# KiCad board sandevistan44_right.kicad_pcb
title: Sandevistan44; date: 2025-05-21; rev: 0.0.1; company: islathehut; note: Right Side
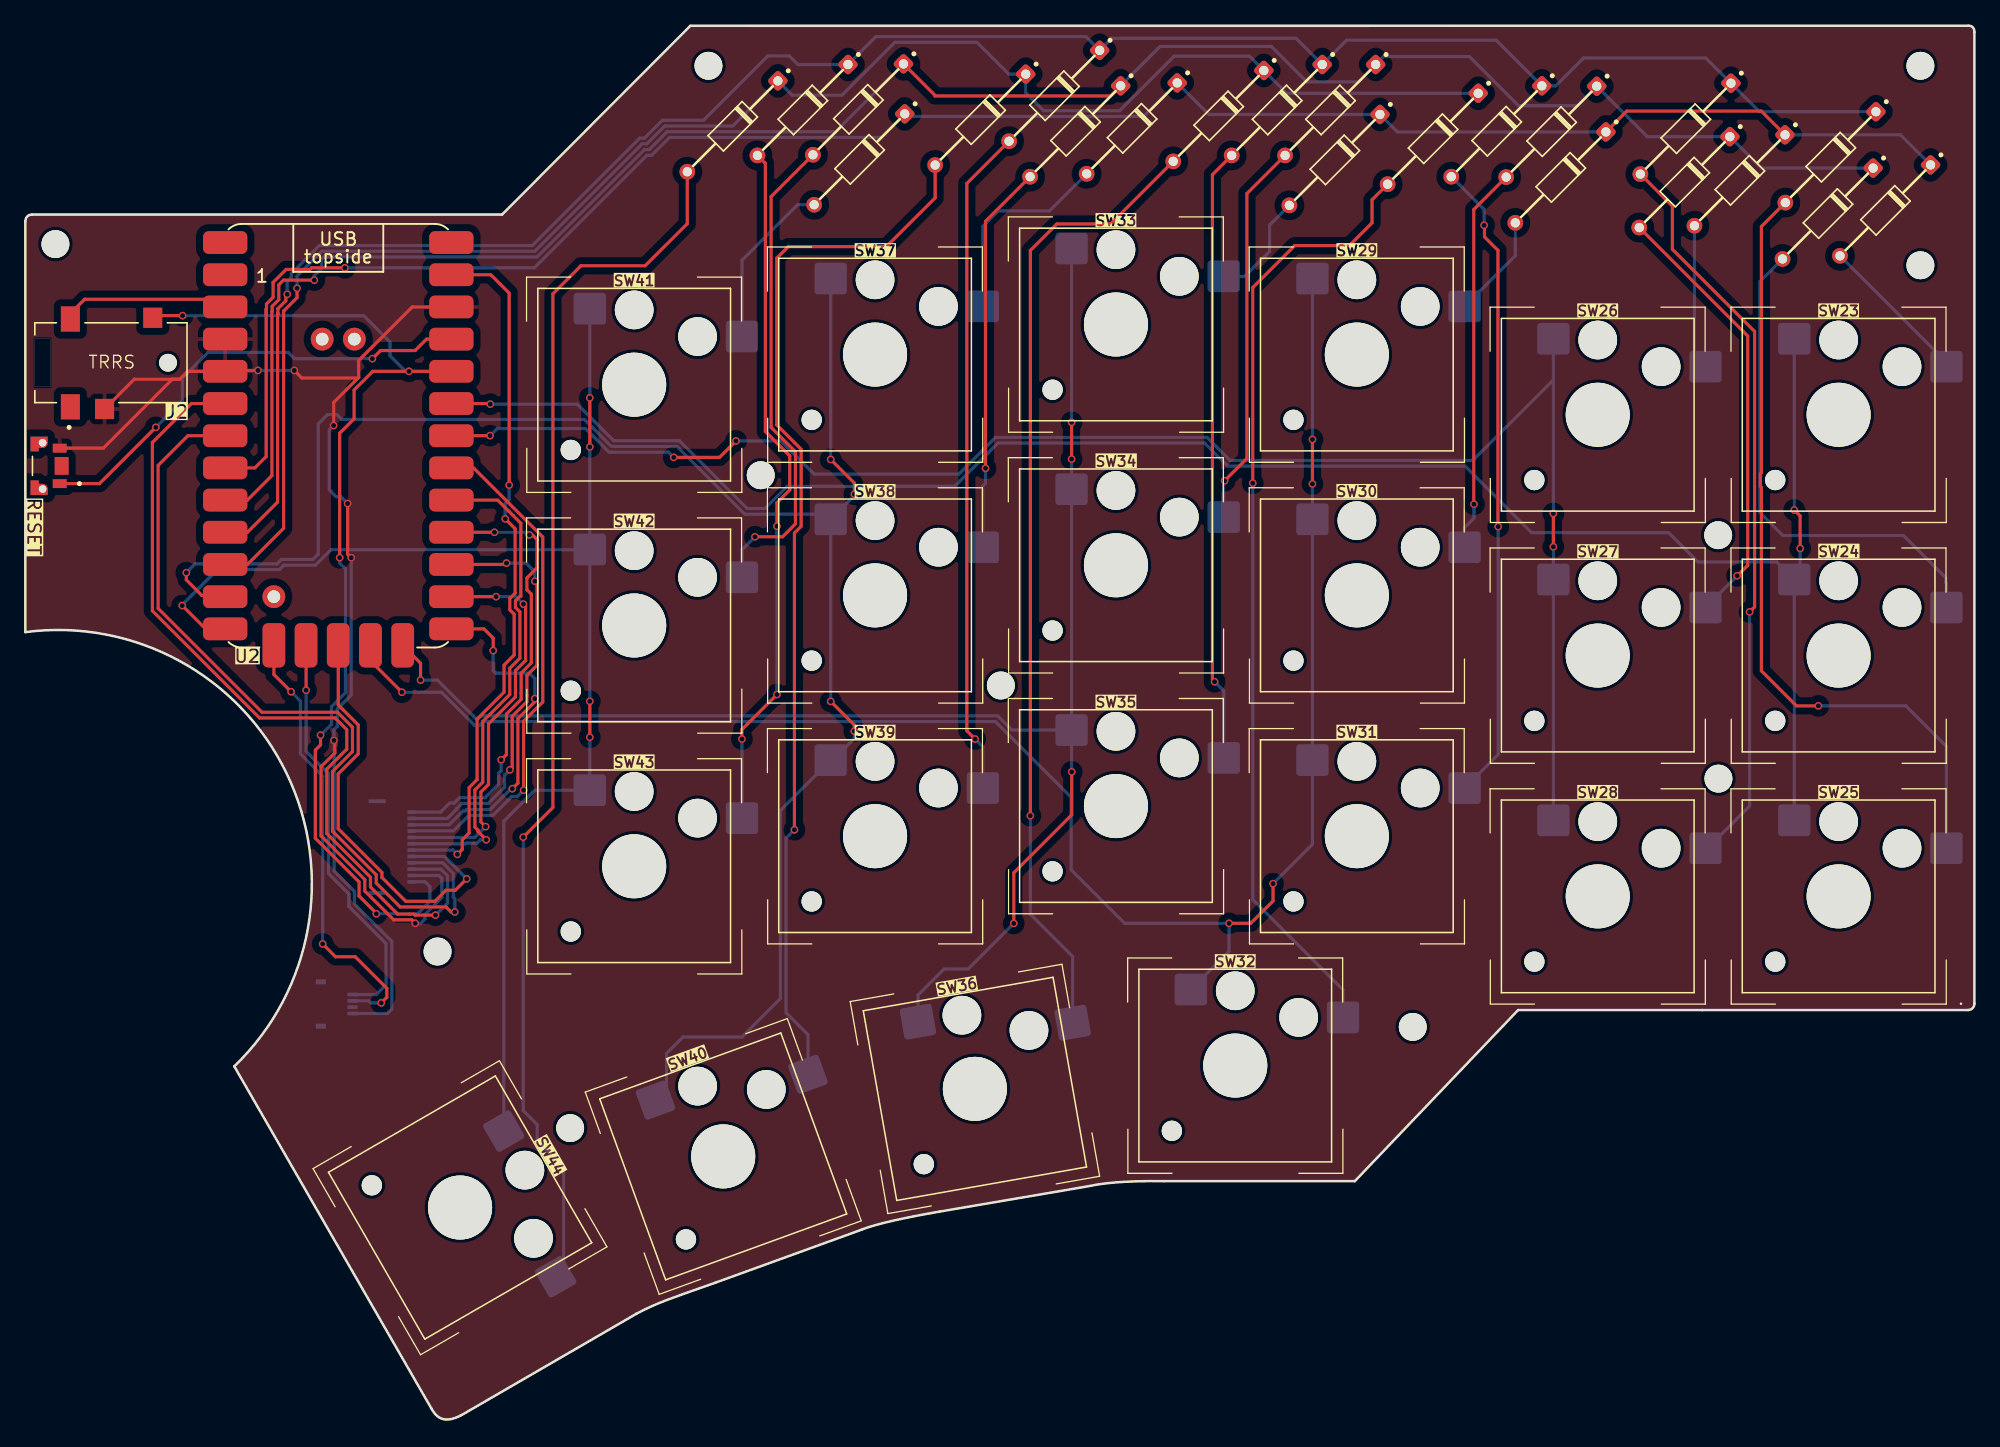
[diagram p0: board, top side]
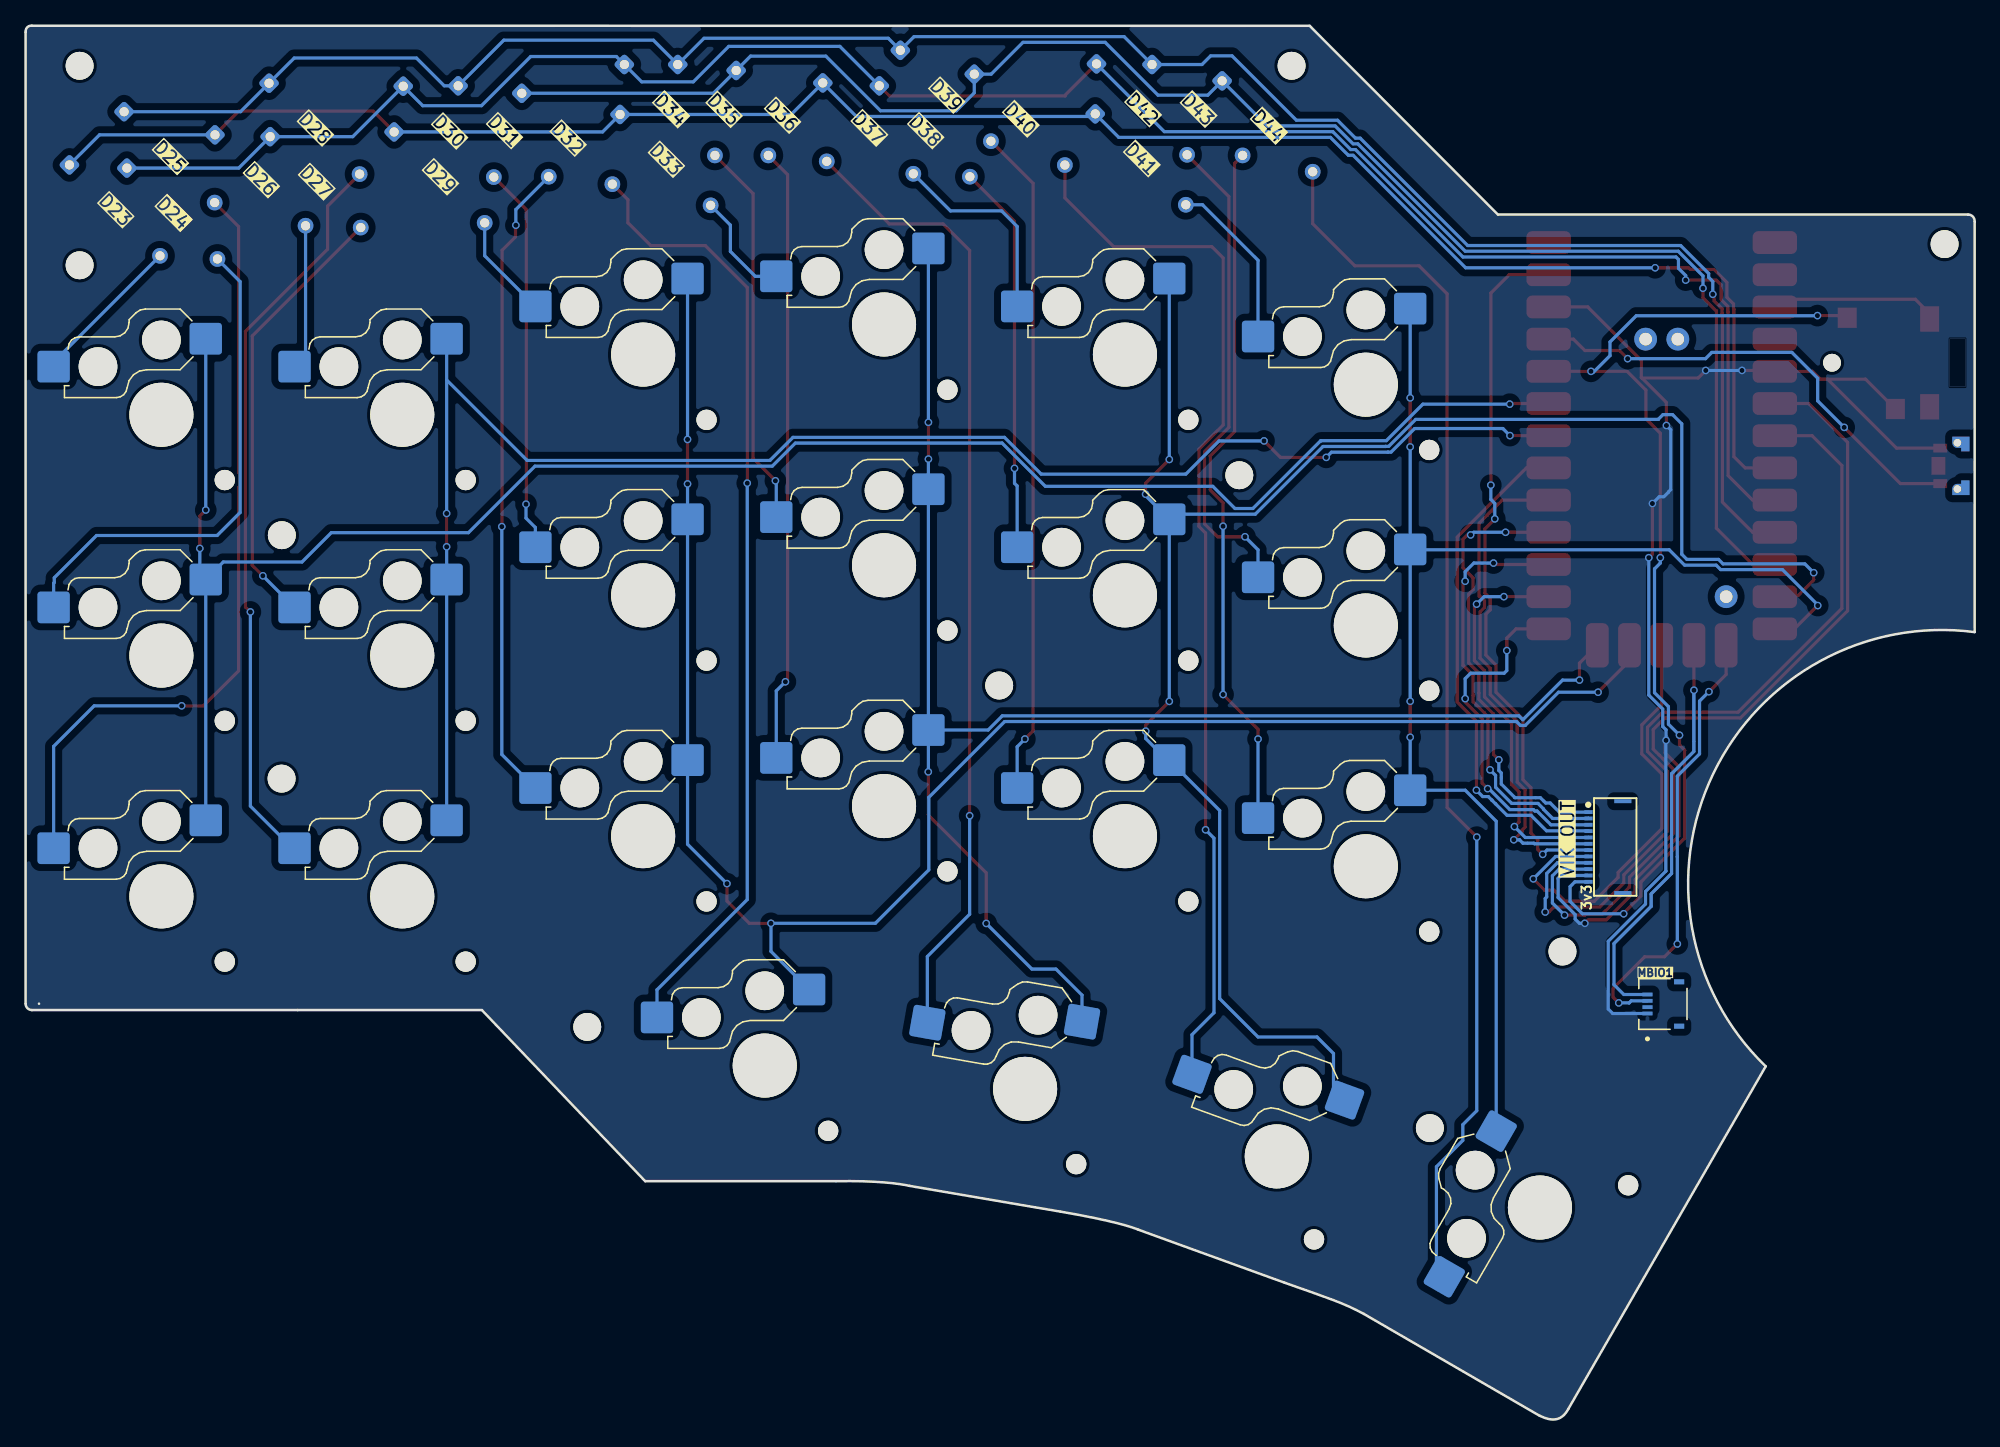
[diagram p1: board, bottom side, seen from below]

Outline 153.75 x 110.18 mm; copper layers: Top, Bottom. Coordinates in mm from the lower left corner of the outline.
Outline path: 0,94.7 0,62.3 arc(20.62,51.12) 16.48,28.04 32.05,1.01 ; 34.31,0.47 48.18,8.51 ; 0.53,95.25 37.6,95.25 52.45,110.14 153.23,110.15 ; 54.45,10.98 65.96,15.15 ; 72.11,16.58 84.01,18.61 ; 89.81,18.98 104.85,18.98 ; 104.85,18.97 117.74,32.48 153.23,32.48 ; 153.73,109.64 153.73,32.98

## Placement (name value [footprint] x y rotation side)
D23  D  [TH 1N4148 Diode (long)]  146.71 95.58 225 top
D24  D  [TH 1N4148 Diode (long)]  142.18 95.33 225 top
D25  D  [TH 1N4148 Diode (long)]  142.4 99.78 225 top
D26  D  [TH 1N4148 Diode (long)]  135.23 97.95 225 top
D27  D  [TH 1N4148 Diode (long)]  130.88 97.81 225 top
D28  D  [TH 1N4148 Diode (long)]  130.97 102.02 225 top
D29  D  [TH 1N4148 Diode (long)]  121.11 98.18 225 top
D30  D  [TH 1N4148 Diode (long)]  120.39 101.79 225 top
D31  D  [TH 1N4148 Diode (long)]  116.06 101.82 225 top
D32  D  [TH 1N4148 Diode (long)]  111.04 101.23 225 top
D33  D  [TH 1N4148 Diode (long)]  103.29 99.56 225 top
D34  D  [TH 1N4148 Diode (long)]  102.95 103.5 225 top
D35  D  [TH 1N4148 Diode (long)]  98.73 103.5 225 top
D36  D  [TH 1N4148 Diode (long)]  94.13 103.03 225 top
D37  D  [TH 1N4148 Diode (long)]  87.3 102.05 225 top
D38  D  [TH 1N4148 Diode (long)]  82.84 101.82 225 top
D39  D  [TH 1N4148 Diode (long)]  81.18 104.62 225 top
D40  D  [TH 1N4148 Diode (long)]  75.35 102.74 225 top
D41  D  [TH 1N4148 Diode (long)]  65.8 99.61 225 top
D42  D  [TH 1N4148 Diode (long)]  65.71 103.55 225 top
D43  D  [TH 1N4148 Diode (long)]  61.33 103.5 225 top
D44  D  [TH 1N4148 Diode (long)]  55.8 102.21 225 top
J2  TRRS  [CUI_SJ2-35954A-SMT-TR]  6.75 83.55 0 top
MBIO1  F3311A7H121004E200  [AMPHENOL_F3311A7H121004E200]  24.34 32.96 90 bottom
Ref**  Val**  [MountingHole_2.2mm_M2_DIN965]  58 74.68 0 top
Ref**#2  Val**  [MountingHole_2.2mm_M2_DIN965]  32.51 37.1 0 top
Ref**#3  Val**  [MountingHole_2.2mm_M2_DIN965]  2.37 92.92 0 top
Ref**#4  Val**  [MountingHole_2.2mm_M2_DIN965]  53.88 106.98 0 top
Ref**#5  Val**  [MountingHole_2.2mm_M2_DIN965]  133.54 50.74 0 top
Ref**#6  95.5931  [MountingHole_2.2mm_M2_DIN965]  149.47 106.98 0 top
Ref**#7  Val**  [MountingHole_2.2mm_M2_DIN965]  109.43 31.15 0 top
Ref**#8  Val**  [MountingHole_2.2mm_M2_DIN965]  76.94 58.09 0 top
Ref**#9  Val**  [MountingHole_2.2mm_M2_DIN965]  149.47 91.24 0 top
Ref**#10  Val**  [MountingHole_2.2mm_M2_DIN965]  42.97 23.16 0 top
Ref**#11  Val**  [MountingHole_2.2mm_M2_DIN965]  133.52 69.95 0 top
RESET  SW_PUSH  [SW_TL6340AF160Q]  1.36 75.42 90 top
SW23  SW_PUSH  [SW_Hotswap_Kailh_Choc_V2_1.00u]  143.02 79.45 0 top
SW24  SW_PUSH  [SW_Hotswap_Kailh_Choc_V2_1.00u]  143.02 60.45 0 top
SW25  SW_PUSH  [SW_Hotswap_Kailh_Choc_V2_1.00u]  143.02 41.45 0 top
SW26  SW_PUSH  [SW_Hotswap_Kailh_Choc_V2_1.00u]  124.02 79.45 0 top
SW27  SW_PUSH  [SW_Hotswap_Kailh_Choc_V2_1.00u]  124.02 60.45 0 top
SW28  SW_PUSH  [SW_Hotswap_Kailh_Choc_V2_1.00u]  124.02 41.45 0 top
SW29  SW_PUSH  [SW_Hotswap_Kailh_Choc_V2_1.00u]  105.02 84.2 0 top
SW30  SW_PUSH  [SW_Hotswap_Kailh_Choc_V2_1.00u]  105.02 65.2 0 top
SW31  SW_PUSH  [SW_Hotswap_Kailh_Choc_V2_1.00u]  105.02 46.2 0 top
SW32  SW_PUSH  [SW_Hotswap_Kailh_Choc_V2_1.00u]  95.43 28.1 0 top
SW33  SW_PUSH  [SW_Hotswap_Kailh_Choc_V2_1.00u]  86.02 86.57 0 top
SW34  SW_PUSH  [SW_Hotswap_Kailh_Choc_V2_1.00u]  86.02 67.57 0 top
SW35  SW_PUSH  [SW_Hotswap_Kailh_Choc_V2_1.00u]  86.02 48.57 0 top
SW36  SW_PUSH  [SW_Hotswap_Kailh_Choc_V2_1.00u]  74.9 26.26 10 top
SW37  SW_PUSH  [SW_Hotswap_Kailh_Choc_V2_1.00u]  67.02 84.2 0 top
SW38  SW_PUSH  [SW_Hotswap_Kailh_Choc_V2_1.00u]  67.02 65.2 0 top
SW39  SW_PUSH  [SW_Hotswap_Kailh_Choc_V2_1.00u]  67.02 46.2 0 top
SW40  SW_PUSH  [SW_Hotswap_Kailh_Choc_V2_1.00u]  55.04 20.93 20 top
SW41  SW_PUSH  [SW_Hotswap_Kailh_Choc_V2_1.00u]  48.02 81.82 0 top
SW42  SW_PUSH  [SW_Hotswap_Kailh_Choc_V2_1.00u]  48.02 62.82 0 top
SW43  SW_PUSH  [SW_Hotswap_Kailh_Choc_V2_1.00u]  48.02 43.82 0 top
SW44  SW_PUSH  [SW_Hotswap_Kailh_Choc_V2_1.25u]  34.29 16.9 300 top
U2  ProMicro  [Helios_AC]  24.68 76.53 0 top
VIK1  ~  [vik-keyboard-connector-horizontal-mini]  28.35 45.35 90 bottom

## Library data of the parts
D23-D44 = -: Description: Diode; Sim.Pins: 1=K 2=A; ki_fp_filters: TO-???* *_Diode_* *SingleDiode* D_*
J2 = -: MF: Same Sky; MAXIMUM_PACKAGE_HEIGHT: 5 mm; Package: None; Price: None; Check_prices: https://www.snapeda.com/parts/SJ2-35954A-SMT-TR/Same+Sky/view-part/?ref=eda; STANDARD: Manufacturer Recommendations; PARTREV: 1.04; SnapEDA_Link: https://www.snapeda.com/parts/SJ2-35954A-SMT-TR/Same+Sky/view-part/?ref=snap; MP: SJ2-35954A-SMT-TR; Description_1: 3.5 mm, Stereo, Right Angle, Surface Mount (SMT), 4 Conductors, 0 Internal Switches, Audio Jack Connector; Availability: In Stock; MANUFACTURER: CUI Devices
MBIO1 = -: MF: Amphenol; MAXIMUM_PACKAGE_HEIGHT: 1.62mm; Package: None; Price: None; Check_prices: https://www.snapeda.com/parts/F3311A7H121004E200/Amphenol/view-part/?ref=eda; STANDARD: Manufacturer Recommendations; PARTREV: A; SnapEDA_Link: https://www.snapeda.com/parts/F3311A7H121004E200/Amphenol/view-part/?ref=snap; Description_1: Flex Connector, P=0.50mm, H=1.00mm, Right angle orientation, Flip type, ZIF, Double contact, point 4P; MANUFACTURER: Amphenol; Availability: In Stock
RESET = -: PARTREV: 10.23.2019; STANDARD: Manufacturer Recommendations; SNAPEDA_PN: TL6340AF160Q; MAXIMUM_PACKAGE_HEIGHT: 1.55mm; MANUFACTURER: E-Swtich
U2 = -: Datasheet: https://github.com/0xCB-dev/0xCB-Helios; Description: Symbol for an 0xCB Helios

## Footprints (pads in the part's own frame, mm; a bottom-side part is the same pattern mirrored in y, then rotated)
AMPHENOL_F3311A7H121004E200
  rect 0.3x0.8 smd: 1(-0.75,1.47) 2(-0.25,1.47) 3(0.25,1.47) 4(0.75,1.47)
  rect 0.4x0.8 smd: SH1(-1.75,-1.03) SH2(1.75,-1.03)
CUI_SJ2-35954A-SMT-TR
  round 1.4 hole 1.4 unplated: (4.5,0)
  rect 1.5x2 smd: 1(-3.2,-3.48) 4(-3.2,3.45)
  rect 1.5x1.6 smd: 2(3.3,3.55) 3(-0.5,-3.65)
Helios_AC
  rrect 3.5x1.8 smd: 1(-8.92,13.97) 2(-8.92,11.43) 3(-8.92,8.89) 4(-8.92,6.35) 5(-8.92,3.81) 6(-8.92,1.27) 7(-8.92,-1.27) 8(-8.92,-3.81) 9(-8.92,-6.35) 10(-8.92,-8.89) 11(-8.92,-11.43) 12(-8.92,-13.97) 13(8.92,13.97) 14(8.92,11.43) 15(8.92,8.89) 16(8.92,6.35) 17(8.92,3.81) 18(8.92,1.27) 19(8.92,-1.27) 20(8.92,-3.81) 21(8.92,-6.35) 22(8.92,-8.89) 23(8.92,-11.43) 24(8.92,-13.97) 30(8.92,16.51) 31(-8.92,16.51)
  rrect 1.8x3.5 smd: 25(-5.08,-15.27) 26(-2.54,-15.27) 27(0,-15.27) 28(2.54,-15.27) 29(5.08,-15.27)
  round 1.8 hole 1: 32(-1.27,8.89) 33(1.27,8.89) 34(-5.08,-11.43)
MountingHole_2.2mm_M2_DIN965
  round 2.2 hole 2.2 unplated: (0,0)
SW_Hotswap_Kailh_Choc_V2_1.00u
  round 1.6 hole 1.6 unplated: (-5,-5.15)
  round 3.05 hole 3.05 unplated: (0,5.9) (5,3.8)
  round 5.05 hole 5.05 unplated: (0,0)
  rrect 2.55x2.5 smd far side: 1(-3.5,6) 2(8.5,3.8)
SW_Hotswap_Kailh_Choc_V2_1.25u
  round 1.6 hole 1.6 unplated: (-5,-5.15)
  round 3.05 hole 3.05 unplated: (0,5.9) (5,3.8)
  round 5.05 hole 5.05 unplated: (0,0)
  rrect 2.55x2.5 smd far side: 1(-3.5,6) 2(8.5,3.8)
SW_TL6340AF160Q
  rect 0.7x1.1 smd: 1(-1.4,-1.35) 2(1.4,-1.35)
  custom 1.16x1.36 hole 0.6: SH1(-1.825,0) SH2(1.825,0)
  rect 1.4x1.1 smd: SH3(0,-1.5)
TH 1N4148 Diode (long)
  rrect 1.238x1.238 hole 0.73: 1(-5.053,-0.02)
  round 1.238 hole 0.73: 2(5.07,0)
vik-keyboard-connector-horizontal-mini
  rect 0.3x0.65 smd: 1(-2.75,2.11) 2(-2.25,2.11) 3(-1.75,2.11) 4(-1.25,2.11) 5(-0.75,2.11) 6(-0.25,2.11) 7(0.25,2.11) 8(0.75,2.11) 9(1.25,2.11) 10(1.75,2.11) 11(2.25,2.11) 12(2.75,2.11)
  rect 0.305x1.355 smd: 13(3.61,-0.598) 14(-3.632,-0.598)

## Nets
GND_r: J2.3 MBIO1.1 RESET.2 U2.3 U2.4 U2.14 VIK1.2
VCC_r: J2.2 U2.16 VIK1.1
col0_r: SW23.1 SW24.1 SW25.1 U2.17
col1_r: SW26.1 SW27.1 SW28.1 U2.18
col2_r: SW29.1 SW30.1 SW31.1 SW32.1 U2.28
col3_r: SW33.1 SW34.1 SW35.1 SW36.1 U2.29
col4_r: SW37.1 SW38.1 SW39.1 SW40.1 U2.11
col5_r: SW41.1 SW42.1 SW43.1 SW44.1 U2.12
data_r: J2.4 U2.2
GPIO_AD1_r: U2.20 VIK1.7
GPIO_AD2_r: U2.19 VIK1.9
MB1: MBIO1.3 U2.25
MB2: MBIO1.4 U2.26
MISO_r: U2.22 VIK1.11
MOSI_r: U2.23 VIK1.8
RAW_r: U2.13 VIK1.6
reset_r: RESET.1 U2.15
row0_r: D23.1 D26.1 D29.1 D33.1 D37.1 D41.1 U2.7
row1_r: D24.1 D27.1 D30.1 D34.1 D38.1 D42.1 U2.8
row2_r: D25.1 D28.1 D31.1 D35.1 D39.1 D43.1 U2.9
row3_r: D32.1 D36.1 D40.1 D44.1 U2.10
SCL_r: U2.6 VIK1.4
SCLK_r: U2.21 VIK1.12
SDA_r: U2.5 VIK1.3
SPI_CS_r: U2.24 VIK1.10
UNUSED_r: U2.27 VIK1.5
Net-(D23-A): D23.2 SW23.2
Net-(D24-A): D24.2 SW24.2
Net-(D25-A): D25.2 SW25.2
Net-(D26-A): D26.2 SW26.2
Net-(D27-A): D27.2 SW27.2
Net-(D28-A): D28.2 SW28.2
Net-(D29-A): D29.2 SW29.2
Net-(D30-A): D30.2 SW30.2
Net-(D31-A): D31.2 SW31.2
Net-(D32-A): D32.2 SW32.2
Net-(D33-A): D33.2 SW33.2
Net-(D34-A): D34.2 SW34.2
Net-(D35-A): D35.2 SW35.2
Net-(D36-A): D36.2 SW36.2
Net-(D37-A): D37.2 SW37.2
Net-(D38-A): D38.2 SW38.2
Net-(D39-A): D39.2 SW39.2
Net-(D40-A): D40.2 SW40.2
Net-(D41-A): D41.2 SW41.2
Net-(D42-A): D42.2 SW42.2
Net-(D43-A): D43.2 SW43.2
Net-(D44-A): D44.2 SW44.2

Pads without a net: J2 1; MBIO1 2 SH1 SH2; RESET SH1 SH2 SH3; U2 1 30 31 32 33 34; VIK1 13 14

## Via types
v1: diameter 0.6, hole 0.4, Top to Bottom, 88 vias

## Routing (per net, layer and track width the routed paths; a pad name or vN(x,y) marks a point on that pad's centre or on a via; arc(x,y) is an arc through that point)
GND_r: length 125.8
  Top w0.25: v1(30.75,39.32) 30.48,39.6 29.05,39.6 26.77,41.87 26.77,42.77 23.32,46.22 23.32,51.68 24.41,52.77 24.41,53.69 v1(24.34,53.76) ; J2.3 8.6,82.26 12.17,82.26 ; RESET.2 6.16,76.82 11.6,82.26 12.17,82.26 ; v1(21.21,82.95) 21.81,82.35 26.25,82.35 26.29,82.4 ; v1(25.7,68.17) 25.42,68.46 v1(25.42,72.45) ; 12.17,82.26 12.79,82.88 14.52,82.88 ; 26.29,82.4 24.32,80.43 24.32,78.61 v1(24.31,78.6) ; 26.29,82.4 26.29,83.73 30.51,87.96 U2.14 ; v1(18.35,82.95) 15.83,82.95
  Bottom w0.25: MBIO1.1 28.55,32.21 28.9,32.56 28.9,37.9 25.96,40.84 25.96,41.84 24.36,43.44 24.36,43.45 24.36,53.74 v1(24.34,53.76) 24.34,54.59 24.6,54.85 24.6,56.23 25.7,57.33 v1(25.7,68.17) ; v1(25.42,72.45) 24.88,72.98 24.51,72.98 24.15,73.35 24.15,73.36 23.97,73.54 23.97,78.26 v1(24.31,78.6) ; VIK1.2 32.63,43.1 32.85,42.88 32.85,41.35 31.51,40.01 31.51,39.66 31.18,39.32 v1(30.75,39.32) ; v1(18.35,82.95) v1(21.21,82.95)
VCC_r: length 83.2
  Top w0.25: v1(24.79,68.17) 24.79,77.99 25.93,79.13 25.93,81.4 27.41,82.88 v1(30.26,82.88) U2.16 ; v1(27.68,40.08) 27.65,40.11 27.65,40.15 26.32,41.48 26.32,42.59 22.87,46.04 22.87,52.99 23.28,53.4 v1(23.28,54.17) ; 10.42,87.27 v1(12.4,87.27)
  Bottom w0.25: 30.3,82.8 30.08,82.8 28.76,84.11 28.76,85.19 26.69,87.26 12.41,87.26 v1(12.4,87.27) ; VIK1.1 31.53,42.6 31.91,42.21 31.91,41.05 30.94,40.08 27.73,40.08 27.65,40.15 ; v1(30.26,82.88) 30.31,82.83 ; v1(23.28,54.17) 24.15,55.04 24.15,56.42 25.25,57.52 25.25,67.29 24.79,67.75 v1(24.79,68.17)
col0_r: length 153.7
  Top w0.25: v1(139.52,71.93) 139.98,71.47 139.98,70 139.99,69.99 v1(139.99,68.9) ; v1(36.67,80.29) 36.62,80.34 U2.17
  Bottom w0.25: v1(139.99,68.9) 139.99,66.92 ; v1(36.67,80.29) 43.52,80.29 46.4,77.41 51.53,77.41 51.54,77.4 51.58,77.4 56.93,72.05 58.34,72.05 60.09,73.8 73.3,73.8 76.71,77.22 93.01,77.22 94.83,75.4 113.55,75.4 118.8,70.15 129.62,70.15 131.93,67.83 138.14,67.83 SW24.1 SW25.1 ; v1(139.52,71.93) SW23.1
col1_r: length 132.3
  Top w0.25: v1(120.52,71.66) v1(120.52,69.03) ; U2.18 36.64,77.8 v1(36.65,77.8) ; v1(56.05,77.39) 54.75,76.09 v1(51.14,76.09)
  Bottom w0.25: v1(120.52,69.03) SW27.1 SW28.1 ; 120.52,82.2 114.17,75.85 95.02,75.85 93.2,77.67 76.52,77.67 73.62,74.77 62.22,74.77 59.6,77.38 56.05,77.38 v1(56.05,77.39) ; SW26.1 v1(120.52,71.66) ; v1(36.65,77.8) 37.21,78.36 44.17,78.36 46.03,76.5 46.28,76.5 46.28,76.5 50.73,76.5 v1(51.14,76.09)
col2_r: length 141
  Top w0.25: v1(101.52,73.99) v1(101.52,77.5) ; v1(94.94,39.32) 96.65,39.32 98.41,41.08 v1(98.41,42.45) ; 27.22,60.04 v1(29.7,57.56)
  Bottom w0.25: v1(101.52,77.5) SW29.1 ; SW32.1 94.94,37.11 v1(94.94,39.32) 86.71,39.32 82.49,43.54 82.49,49.26 76.51,55.24 36.13,55.24 35.82,54.93 35.45,54.93 32.82,57.56 v1(29.7,57.56) ; v1(98.41,42.45) 101.52,45.56 SW31.1 SW30.1 v1(101.52,73.99)
col3_r: length 123.1
  Top w0.25: v1(77.96,39.31) 77.96,43.31 82.53,47.88 v1(82.53,51.27) 82.52,51.28 ; v1(31.17,58.51) 31.17,59.85 U2.29 ; v1(82.52,78.85) v1(82.52,75.95)
  Bottom w0.25: v1(31.17,58.51) 32.5,58.51 35.63,55.38 35.94,55.69 76.69,55.69 77.81,54.57 81.93,54.57 ; v1(82.52,78.85) SW33.1 ; v1(77.96,39.31) 74.36,35.71 72.46,35.71 70.41,33.66 SW36.1 ; v1(82.53,51.27) 82.52,51.28 SW35.1 SW34.1 v1(82.52,75.95)
col4_r: length 144.2
  Top w0.25: v1(63.52,75.92) 65.39,74.05 v1(65.39,73.18) ; v1(12.7,66.99) 12.7,66.42 13.92,65.19 15.66,65.19 ; v1(63.52,56.83) 65.38,54.97 v1(65.38,54.48)
  Bottom w0.25: v1(65.38,54.48) 65.38,53.9 63.68,52.2 ; 50.57,26.24 50.57,29.05 51.87,30.35 56.52,30.35 59.55,33.38 59.55,48.23 SW39.1 ; SW37.1 v1(63.52,75.92) ; SW38.1 v1(63.52,56.83) ; v1(65.39,73.18) 65.39,73.07 63.93,71.6 56.74,71.6 51.4,76.95 46.47,76.95 46.46,76.96 46.21,76.96 44.09,79.08 24.95,79.08 24.95,79.1 24.58,79.46 23.83,79.46 23.1,78.73 23.1,68.44 22.69,68.04 20.2,68.04 19.85,67.68 13.39,67.68 v1(12.7,66.99)
col5_r: length 106.9
  Top w0.25: 44.52,56.96 v1(44.52,56.84) v1(44.52,54) ; v1(44.52,80.78) v1(44.52,76.91) ; 14.21,62.56 v1(12.38,64.39)
  Bottom w0.25: v1(44.52,80.78) SW41.1 ; v1(44.52,56.84) SW42.1 v1(44.52,76.91) ; 44.49,68.8 24.09,68.8 22.88,67.58 20.39,67.58 20.03,67.23 15.16,67.23 12.38,64.45 v1(12.38,64.39) ; v1(44.52,54) SW43.1 40.18,49.82 37.74,47.38 SW44.1
data_r: length 11.5
  Top w0.25: 14.63,88.56 4.68,88.56 3.55,87.44
GPIO_AD1_r: length 39.4
  Top w0.25: U2.20 37.25,72.72 38.11,71.86 38.11,71.86 38.48,71.49 38.48,71.49 39.08,70.89 39.08,65.13 39.02,65.13 38.66,64.77 38.66,64.25 39.01,63.9 39.01,60.25 38.21,59.45 38.21,57.37 36.08,55.25 36.08,50.47 35.46,49.84 35.46,46.91 35.7,46.67 35.7,46.56 v1(36.35,45.91)
  Bottom w0.25: VIK1.7 34.72,45.6 34.76,45.64 35.63,45.64 35.9,45.91 v1(36.35,45.91)
GPIO_AD2_r: length 40.2
  Top w0.25: U2.19 35.35,75.26 40.81,69.8 40.81,56.79 39.3,55.28 v1(39.3,49.82)
  Bottom w0.25: v1(39.3,49.82) 38.8,49.32 38.36,49.32 38.08,49.04 38.08,49.04 37.8,48.76 37.8,48.76 36.88,47.84 34.99,47.84 33.77,46.62 30.48,46.62 VIK1.9
MB1: length 35.5
  Top w0.25: U2.25 19.6,58.96 v1(20.96,57.6) 21.08,57.48 ; 23.45,37.8 v1(23.45,37.69) 24.46,36.68 26.02,36.68 28.51,34.19 28.51,33.48 v1(28.07,33.04)
  Bottom w0.25: 27.25,33.04 27.09,33.21 MBIO1.3 ; 27.25,33.04 27.21,33.08 ; 27.25,33.04 v1(28.07,33.04) ; v1(23.45,37.69) 23.45,44.57 23.45,44.57 23.45,50.93 21.7,52.69 21.7,56.86 21.08,57.48
MB2: length 55
  Top w0.25: U2.26 v1(22.14,57.71) ; v1(22.14,57.71) 22.15,57.7 ; v1(22.14,57.71) 22.14,57.63
  Bottom w0.203: 23.91,51.12 22.14,52.88 22.14,57.69 22.15,57.7 ; 23.9,51.11 23.9,43.25 25.53,41.63 25.53,40.67 28.45,37.75
  Bottom w0.25: 23.9,51.11 23.91,51.12 ; v1(22.14,57.71) 22.15,57.7 22.15,52.88 23.9,51.12 23.9,43.25 25.51,41.65 25.51,40.66 28.45,37.72 28.45,34.48 27.67,33.71 MBIO1.4
MISO_r: length 33.7
  Top w0.25: v1(40.19,66.32) 40.36,66.32 40.36,59.67 40.34,59.67 39.56,58.89 39.56,57.31 39.56,56.81 38.4,55.65 38.4,51.61 v1(38.22,51.43) ; v1(37.95,67.75) 37.84,67.64 U2.22
  Bottom w0.25: v1(40.19,66.32) 40.19,67.06 39.5,67.75 v1(37.95,67.75) ; 30.48,47.62 30.51,47.6 33.29,47.6 34.01,48.31 34.01,48.35 34.44,48.78 36.51,48.78 37.79,50.06 37.79,51 38.09,51.29 38.3,51.29 38.22,51.37 v1(38.22,51.43)
MOSI_r: length 31.4
  Top w0.25: U2.23 v1(37.13,65.1) ; v1(39.28,64.51) 39.46,64.33 39.46,60.06 38.66,59.26 38.66,57.19 36.53,55.06 36.53,50.28 35.93,49.68 35.93,47.32 v1(36.3,46.95)
  Bottom w0.25: VIK1.8 30.46,46.09 35.44,46.09 v1(36.3,46.95) ; v1(39.28,64.51) 38.69,65.1 v1(37.13,65.1)
RAW_r: length 56
  Top w0.25: v1(37.85,71.24) 38.63,70.46 38.63,65.38 38.21,64.95 38.21,64.06 38.56,63.71 38.56,60.5 37.76,59.7 37.76,57.56 35.63,55.43 35.63,50.66 35,50.03 35,46.46 34.46,45.91 34.46,45.15 v1(34.07,44.76) 33.97,44.86 ; U2.13 36.71,90.5 38.16,89.05 v1(38.16,73.9)
  Bottom w0.25: VIK1.6 30.46,45.1 33.73,45.1 v1(34.07,44.76) ; v1(38.16,73.9) 38.16,72.77 37.85,72.46 v1(37.85,71.24)
reset_r: length 37.3
  Top w0.25: v1(10.29,78.45) 5.85,74.02 RESET.1 ; U2.15 31.64,85.42 30.74,84.52 28.01,84.52 v1(27.37,83.88)
  Bottom w0.25: 10.15,78.31 v1(10.29,78.45) 12.38,80.55 12.38,82.34 14.42,84.37 20.73,84.37 21.22,83.88 v1(27.37,83.88)
row0_r: length 158.7
  Top w0.25: U2.7 18.1,75.26 18.99,76.15 18.99,87.39 18.99,87.76 19.02,87.79 19.02,88.19 19.54,88.71 19.54,89.89 20.57,90.92 22.45,90.92 22.57,91.05 v1(25.2,91.05) ; D29.1 126.3,103.41 136.92,103.41 D26.1
  Bottom w0.25: D41.1 67.51,101.34 50.81,101.34 49.4,99.92 49.02,99.92 40.15,91.05 v1(25.2,91.05) ; 69.57,102.99 88.2,102.99 D37.1 93.34,103.15 D33.1 108.22,101.77 D29.1 ; D23.1 147.9,101.54 D26.1
row1_r: length 163
  Top w0.25: D38.1 85.59,104.61 71.74,104.61 71.74,104.66 D42.1 ; U2.8 17.51,72.72 19.44,74.65 19.44,87.57 19.47,87.6 19.47,88.01 19.99,88.53 19.99,89.7 20.36,90.07 v1(22.79,90.07)
  Bottom w0.25: D24.1 136.92,98.91 D27.1 127.93,101.39 D30.1 122.4,103.84 117.77,103.84 113.89,107.72 107.13,107.72 D34.1 105.13,105.72 101.07,105.72 98.27,108.52 89.5,108.52 D38.1 ; D42.1 63.92,101.79 50.62,101.79 49.21,100.38 48.84,100.38 40.36,91.9 23.56,91.9 23.36,91.7 23.36,91.01 22.79,90.44 22.79,90.29 22.83,90.25 22.83,90.11 v1(22.79,90.07)
row2_r: length 163.6
  Top w0.25: U2.9 17.51,70.18 19.89,72.56 19.89,87.39 19.92,87.41 19.92,87.45 19.92,87.82 20.55,88.45 20.55,88.85 v1(20.66,88.96) ; 20.74,89.04 v1(20.66,88.96) ; v1(20.66,88.96) 20.66,88.96
  Bottom w0.25: D25.1 136.78,103.36 D28.1 132.54,107.6 122.9,107.6 120.71,105.41 D31.1 116.01,109.01 104.21,109.01 D35.1 100.22,109.16 85.68,109.16 D39.1 83.66,109.29 67.08,109.29 D43.1 60.94,107.09 60.26,107.77 58.57,107.77 53.49,102.69 50.25,102.69 48.84,101.28 48.46,101.28 39.99,92.8 23.19,92.8 20.98,90.6 20.98,90.29 20.66,89.97 20.66,89.13 20.74,89.04
row3_r: length 134
  Top w0.25: U2.10 17.51,67.64 20.37,70.5 20.37,87.63 21.43,88.69 v1(21.43,89.43)
  Bottom w0.25: v1(21.43,89.43) 21.43,90.41 23.37,92.35 40.18,92.35 48.65,100.83 49.02,100.83 50.44,102.24 55.8,102.24 D44.1 60.49,104.67 64.41,104.67 68.58,108.84 75.06,108.84 77.57,106.33 D40.1 78.9,104.85 80.32,103.44 86.3,103.44 90.61,107.75 96.55,107.75 D36.1 99.48,104.82 D32.1
SCL_r: length 65
  Top w0.25: U2.6 12.82,77.8 10.47,75.45 10.47,64.17 18.66,55.98 24.62,55.98 25.8,54.79 25.8,52.88 24.22,51.3 24.22,46.6 27.67,43.15 27.67,42.5 29.56,40.61 33.18,40.61 33.58,40.21 v1(33.87,40.21)
  Bottom w0.25: v1(33.87,40.21) 33.87,41.28 33.76,41.4 33.76,43.25 32.91,44.1 VIK1.4
SCLK_r: length 35.6
  Top w0.25: v1(37.53,52.22) 37.95,52.64 37.95,55.84 39.11,57 39.11,57.49 39.11,57.49 39.11,59.07 39.91,59.87 39.91,65.3 39.56,65.65 39.56,66.58 40.36,67.38 40.36,69.61 40,69.97 v1(39.75,69.97) ; U2.21 v1(37,70.18)
  Bottom w0.25: v1(37.53,52.22) 37.53,51.38 37.34,51.18 37.34,50.31 36.28,49.26 36.28,49.26 36.26,49.23 34.25,49.23 33.83,48.81 33.47,48.81 32.75,48.1 VIK1.12 ; v1(39.75,69.97) 39.72,69.97 39.51,70.18 v1(37,70.18)
SDA_r: length 66.6
  Top w0.25: U2.5 13.09,80.34 10.02,77.27 10.02,63.98 18.47,55.53 24.43,55.53 25.35,54.61 25.35,53.07 23.77,51.49 23.77,46.41 27.22,42.96 27.22,42.19 29.37,40.05 30.66,40.05 30.75,39.97 v1(32.35,39.97)
  Bottom w0.25: 32.39,39.92 32.39,40.01 33.3,40.92 33.3,43.06 32.77,43.6 VIK1.3
SPI_CS_r: length 28.3
  Top w0.25: U2.24 36.17,62.56 36.9,61.82 v1(36.9,60.84) ; v1(38.41,49.95) 38.85,50.38 38.85,55.46 40.19,56.8 v1(40.19,57.05)
  Bottom w0.25: 38.49,49.97 38.44,49.97 v1(38.41,49.95) 38.31,49.95 36.66,48.29 34.8,48.29 34.69,48.18 34.51,48.18 33.42,47.1 VIK1.10 ; v1(36.9,60.84) 36.9,59.27 37.11,59.06 39.76,59.06 40.19,58.63 40.19,57.05 v1(40.19,57.05)
UNUSED_r: length 34.3
  Top w0.25: U2.27 24.68,56.55 26.25,54.98 26.25,52.69 24.68,51.11 24.68,46.78 28.12,43.33 28.12,42.94 30,41.06 32.31,41.06 33.18,41.93 33.91,41.93 v1(34.81,42.83)
  Bottom w0.25: v1(34.81,42.83) 33.05,44.6 VIK1.5
Net-(D23-A): length 11.9
  Bottom w0.25: D23.2 151.52,83.6
Net-(D24-A): length 39.9
  Bottom w0.25: D24.2 136.81,89.95 136.81,71.74 138.62,69.92 148.13,69.92 151.47,66.59 151.47,66.22 151.52,66.17 SW24.2
Net-(D25-A): length 62.9
  Top w0.25: v1(141.42,56.48) 139.69,56.48 136.93,59.24 136.93,73.72 136.85,73.81 136.85,74.79 136.93,74.87 136.93,94.3 D25.2
  Bottom w0.25: v1(141.42,56.48) 148.32,56.48 151.52,53.28 SW25.2
Net-(D26-A): length 10.2
  Bottom w0.25: D26.2 131.65,84.12
Net-(D27-A): length 34.9
  Top w0.25: v1(135.02,66.75) 135.03,66.75 135.85,67.57 135.85,85.67 D27.2
  Bottom w0.25: 135.03,66.75 v1(135.02,66.75) SW27.2
Net-(D28-A): length 58.5
  Top w0.25: D28.2 129.91,95.91 129.91,92.51 136.39,86.03 136.39,64.29 v1(136,63.89)
  Bottom w0.25: v1(136,63.89) 136,48.57 132.68,45.25
Net-(D29-A): length 8.3
  Bottom w0.25: D29.2 117.52,92 SW29.2
Net-(D30-A): length 30.6
  Top w0.25: D30.2 114.24,95.64 114.24,72.41 v1(114.26,72.39)
  Bottom w0.25: v1(114.26,72.39) 114.26,71.29 113.52,70.55 SW30.2
Net-(D31-A): length 50.9
  Top w0.25: v1(115.06,94.4) 115.09,94.37 115.09,93.48 116.15,92.42 116.15,70.64 v1(116.17,70.62)
  Bottom w0.25: v1(116.17,70.62) 116.17,52.65 SW31.2 ; D31.2 115.06,95.64 v1(115.06,94.4)
Net-(D32-A): length 75.6
  Top w0.25: D32.2 106.22,96.41 106.22,94.6 104.42,92.8 100.12,92.8 96.81,89.49 v1(96.81,74.05)
  Bottom w0.25: v1(96.81,74.05) 96.81,41.2 103.93,34.08 SW32.2
Net-(D33-A): length 8.7
  Bottom w0.25: D33.2 98.14,94.41 98.14,92.34 96.18,90.37 SW33.2
Net-(D34-A): length 30.7
  Top w0.25: D34.2 96.35,96.9 96.35,76 v1(94.59,74.24) 94.59,74.37
  Bottom w0.25: SW34.2 94.52,74.17 v1(94.59,74.24)
Net-(D35-A): length 48.5
  Top w0.25: D35.2 93.63,98.4 93.63,58.55 v1(93.8,58.38)
  Bottom w0.25: v1(93.8,58.38) 94.52,57.66 SW35.2
Net-(D36-A): length 76.8
  Top w0.25: v1(79.27,47.81) 79.27,92.42 81.36,94.51 85.6,94.51 D36.2
  Bottom w0.25: 79.27,47.54 v1(79.27,47.81) 79.27,40.04 82.61,36.7 SW36.2
Net-(D37-A): length 16.2
  Bottom w0.25: D37.2 80.78,95.54 76.75,95.54 75.52,94.31 SW37.2
Net-(D38-A): length 30.8
  Top w0.25: D38.2 75.73,94.71 v1(75.73,75.22) 75.73,75.23
  Bottom w0.25: v1(75.73,75.22) 75.73,74.04 75.52,73.83 SW38.2
Net-(D39-A): length 52.9
  Top w0.25: D39.2 74.26,97.7 74.26,54.51 v1(74.91,53.86)
  Bottom w0.25: SW39.2 75.52,53.25 v1(74.91,53.86)
Net-(D40-A): length 83.5
  Top w0.25: D40.2 71.76,96.57 67.91,92.72 60.17,92.72 59.27,91.82 59.27,78.65 60.66,77.26 60.66,77.25 61.19,76.72 61.19,70.65 60.66,70.12 v1(60.66,46.7)
  Bottom w0.25: SW40.2 61.73,30.53 60,32.26 60,46.04 v1(60.66,46.7)
Net-(D41-A): length 13.5
  Bottom w0.25: D41.2 60.9,96.02 56.52,91.64 SW41.2
Net-(D42-A): length 38.6
  Top w0.25: 57.49,69.88 v1(57.55,69.82) 59.73,69.82 60.74,70.84 60.74,76.54 58.82,78.46 58.82,96.66 D42.2
  Bottom w0.25: v1(57.55,69.82) 56.52,68.79 SW42.2
Net-(D43-A): length 54.9
  Top w0.25: v1(59.28,70.65) 59.28,72.51 60.29,73.52 60.29,76.21 58.37,78.13 58.37,99.29 D43.2 ; v1(56.52,53.86) 56.51,53.87 56.51,54.61 v1(59.28,57.38)
  Bottom w0.25: v1(59.28,70.65) v1(59.28,57.38) ; SW43.2 v1(56.52,53.86)
Net-(D44-A): length 96.1
  Top w0.25: v1(39.27,46.12) 41.61,48.46 41.61,89 43.82,91.21 48.89,91.21 52.21,94.53 D44.2
  Bottom w0.25: v1(39.27,46.12) 39.27,24.53 40.37,23.43 40.37,22.19 42.45,20.11 42.45,12.17

## Copper pours and planes (outline as drawn; the poured copper is in the pictures)
GND_r on Top: -19.52,120.04 168.14,120.04 168.14,-2.13 162.92,-7.35 -15.96,-7.35 -19.72,-3.59 -19.72,119.84
GND_r on Bottom: -16.43,115.66 164.18,115.66 164.18,0.95 159.62,-3.61 -16.43,-3.61
